# Allegro board BeagleBone AI -64_PCB_V1.02_211119.brd (continued)
## Routing (per net, layer and track width the routed paths; a pad name or vN(x,y) marks a point on that pad's centre or on a via; arc(x,y) is an arc through that point) (continued)
W3_USBC_DIR: length 114
  TOP w0.165: R380.2 49.03,4.96 v1(48.69,5.3) 48.69,5.4 48.39,5.69 U21.4
  TOP w0.229: v1(3.71,52.79) 3.71,52.78 U19.W3
  L5-SIGNAL w0.102: v1(49.36,41.33) 51.09,41.33 52.3,40.11 52.3,25.17 50.81,23.67 50.81,10.54 50.37,10.11 50.37,6.02 49.92,5.56 48.95,5.56 v1(48.69,5.3)
  L10-SIGNAL w0.102: v1(3.71,52.79) 4.09,53.16 5.4,53.16 6.15,53.92 6.15,57.13 6.78,57.76 11.02,57.76 11.3,58.03 15.62,58.03 15.86,58.26 18.19,58.26 18.99,57.46 24.8,57.46 25.44,58.1 27.26,58.1 27.98,58.83 30.69,58.83 31.3,58.22 34.51,58.22 34.61,58.32 39.87,58.32 40.82,59.27 40.82,60.73 41.13,61.04 46.41,61.04 47.78,59.67 47.78,42.39 48.85,41.33 v1(49.36,41.33)
W4_SEL_SDIO_3V3_1V8: length 85.3
  TOP w0.165: v1(44.94,24.66) 44.92,24.64 U29.33
  TOP w0.229: U19.W4 2.91,52.78 v1(2.91,52.79)
  L3-SIGNAL w0.102: v1(2.91,52.79) 2.55,53.15 2.55,53.74 2.84,54.03 3.06,54.03 3.28,54.25 3.28,55.27 3.64,55.63 3.86,55.63 4.15,55.92 4.15,56.14 4.38,56.36 8.44,56.36 8.85,56.77 8.85,57.14 9.1,57.39 11.31,57.39 11.46,57.24 11.77,57.24 11.88,57.35 12.81,57.35 13.01,57.15 14.14,57.15 14.2,57.22 16.17,57.22 16.76,56.62 18.04,56.62 v1(18.55,56.11)
  L5-SIGNAL w0.102: v1(44.94,24.66) 44.64,24.96 44.64,26.83 45.35,27.54 45.88,27.54 47.21,28.87 47.21,32.5 47.86,33.15 47.86,46.86 45.14,49.58 39.48,49.58 37.83,47.93 33.33,47.93 33.13,48.13 33.13,53.21 30.81,55.54 27.82,55.54 27.74,55.46 27.44,55.46 27.3,55.6 20.84,55.6 19.94,54.7 18.95,54.7 18.55,55.1 v1(18.55,56.11)
  BOTTOM w0.165: v1(44.94,24.66) 44.51,24.66 44.49,24.69 R10.2
W5_AF29: length 117.5
  TOP w0.165: R222.2 -25.1,59.78 v1(-25.29,59.97)
  L5-SIGNAL w0.102: v1(-33.93,23.24) -33.01,23.24 -30.96,21.19 -23.3,21.19 -21.67,22.81 -15.82,22.81 v1(-15.39,22.38) -15.1,22.09 -13.06,22.09 -11.25,23.9 0.06,23.9 0.54,24.39 2.95,24.39 4.35,22.99 7.65,22.99 9,24.33 9.68,24.33 9.81,24.21 v1(10.22,24.21)
  L8-PWR/GND w0.127: v1(-33.93,23.24) -35.11,23.24 -35.76,23.89 -35.76,27.26 -36.77,28.27 -36.77,30.13 -37.2,30.56 -37.2,39.67 -34.8,42.06 -34.8,48.2 -32.51,50.5 -32.51,57.08 -30.68,58.9 -30.14,58.9 -29.88,59.17 -28.53,59.17 -28.51,59.16 -26.82,59.16 -26,59.97 v1(-25.29,59.97)
  L10-SIGNAL w0.102: v1(11.55,31.72) 11.16,31.72 10.61,31.18 10.61,28.97 10.22,28.58 v1(10.22,24.21)
  BOTTOM w0.165: P9.19 -3.99,21.72 -5.71,23.45 -11.58,23.45 -13,22.02 -15.03,22.02 v1(-15.39,22.38) ; 11.56,32.18 11.56,31.86 11.54,31.84 11.54,31.72 v1(11.55,31.72)
W5_I2C2_SCL/MCAN0_RX: length 27.4
  TOP w0.229: U19.W5 2.11,52.78 v1(2.11,52.79)
  BOTTOM w0.114: v1(2.11,52.79) 2.11,52.56 2.5,52.17 2.5,51.81 2.74,51.57 3.07,51.57 3.32,51.32 3.32,51.03 4.01,50.34 5.67,50.34 6.31,49.71
  BOTTOM w0.165: 6.31,49.71 6.81,49.2 6.81,34.98 7.58,34.22 10.43,34.22 11.56,33.08 R72.1
W6_AE25: length 93.9
  TOP w0.165: v1(-25.39,58.9) -25.24,58.9 -25.12,58.78 R223.2
  L5-SIGNAL w0.102: v1(10.24,30.56) 10.24,30.13 9.86,29.74 8.9,29.74 8.52,29.36 -1.19,29.36 v1(-4.06,26.49) -4.46,26.49 -4.67,26.29 -6.27,26.29 -7.88,27.9 -16.24,27.9 -17.04,27.1 -25.01,27.1 -26.4,28.5 -29.38,28.5 -30.02,27.87 -30.02,26.11 -30.45,25.68 -32.48,25.68 -34.69,27.89 -35.83,27.89 v1(-36.32,28.37)
  L8-PWR/GND w0.127: v1(-36.32,28.37) -36.32,30.1 -36.95,30.73 -36.95,39.56 -33.93,42.58 -33.93,48.57 -32.1,50.39 -32.1,56.69 -30.76,58.03 -30.31,58.03 -30.28,58.06 -27.55,58.06 -26.7,58.9 v1(-25.39,58.9)
  BOTTOM w0.165: 10.85,32.18 10.83,32.18 10.24,31.59 v1(10.24,30.56)
W6_I2C2_SDA/MCAN0_TX: length 27.5
  TOP w0.229: v1(1.31,52.79) 0.91,52.39 U19.W6
  BOTTOM w0.114: 2.75,50.78 3.42,50.12 5.39,50.12 6.23,49.28 ; v1(1.31,52.79) 1.31,52.53 1.72,52.12 1.72,51.83 1.95,51.6 2.29,51.6 2.52,51.37 2.51,51.35
  BOTTOM w0.137: 2.75,50.78 2.51,51.02 2.51,51.35
  BOTTOM w0.165: 6.23,49.28 6.48,49.02 6.48,34.8 7.4,33.89 10.05,33.89 10.85,33.08 R73.1
W23_FAN_PWM: length 78.5
  TOP w0.165: Q5.2 -42.48,4.8 v1(-41.79,4.1) R382.2
  TOP w0.229: U19.W23 v1(-13.09,52.79)
  L3-SIGNAL w0.102: v1(-30.7,48.9) -30.28,49.32 -30.28,49.84 -29.76,50.36 -26.99,50.36 -26.39,50.95 -23.2,50.95 -22.72,50.47 -22.22,50.47 -21.91,50.16 -21.91,49.97 -21.53,49.59 -20.28,49.59 -19.6,50.27 -15.79,50.27 -15.12,50.94 -15.12,52.07 -14.84,52.35 -13.53,52.35 v1(-13.09,52.79)
  L8-PWR/GND w0.127: v1(-41.79,4.1) -41.24,4.65 -41.24,8.54 -38.27,11.51 -38.27,12.09 -37.88,12.49 -37.88,13.91 -37.33,14.45 -32.43,14.45 -32.05,14.84 -32.05,16.26 -33.29,17.51 -33.29,18.75 -32.02,20.02 -32.02,21.01 -32.94,21.93 -32.94,26.29 -33.7,27.06 -33.7,38.08 -33.97,38.35 -33.97,40.4 -33.14,41.23 -33.14,44.6 -31.27,46.47 -31.27,48.18 -31.04,48.41 -30.72,48.41 -30.7,48.42 v1(-30.7,48.9)
W24_CSI1_GPIO2: length 31.6
  TOP w0.165: v1(5.32,68.71) 5.63,68.4 6.14,68.4 6.52,68.78 R300.1
  TOP w0.229: v1(-13.89,52.79) -13.49,52.39 U19.W24
  L10-SIGNAL w0.102: v1(5.32,68.71) 0.8,68.71 -4.36,63.55 -7.34,63.55 -7.69,63.2 -7.69,61.39 -8.65,60.42 -8.65,59.62 -10.25,58.03 -10.76,58.03 -11.05,57.74 -11.05,57.42 -11.3,57.18 -11.61,57.18 -11.85,56.94 -11.85,56.72 -12.14,56.43 -12.36,56.43 -12.65,56.14 -12.65,55.84 -12.95,55.55 -13.24,55.55 -13.45,55.34 -13.45,55.04 -13.75,54.75 -14.04,54.75 -14.25,54.54 -14.25,53.15 v1(-13.89,52.79)
W25_DSI_GPIO2: length 72.9
  TOP w0.165: R351.1 39.99,67.9 v1(40.01,67.87)
  TOP w0.229: U19.W25 v1(-14.69,52.79)
  L3-SIGNAL w0.102: v1(40.01,67.87) 39.13,68.75 39.13,69.01 v1(38.84,69.29)
  L10-SIGNAL w0.102: v1(38.84,69.29) 38.08,69.29 36.46,70.92 30.41,70.92 26.27,66.78 16.24,66.78 15.86,67.16 13.11,67.16 11.74,68.53 9.28,68.53 8.08,69.72 0.21,69.72 -3.24,66.27 -3.24,65.31 -4.57,63.98 -7.52,63.98 -8.15,63.35 -8.15,61.55 -9.95,59.75 -10.13,59.75 -10.25,59.63 -10.76,59.63 -11.05,59.34 -11.05,59.12 -11.34,58.83 -11.56,58.83 -11.85,58.54 -11.85,58.32 -12.14,58.03 -12.36,58.03 -12.65,57.74 -12.65,57.52 -12.94,57.23 -13.16,57.23 -13.45,56.94 -13.45,56.72 -13.74,56.43 -13.96,56.43 -14.25,56.14 -14.25,55.92 -14.54,55.63 -14.76,55.63 -15.05,55.34 -15.05,55.12 -15.34,54.83 -15.56,54.83 -15.85,54.54 -15.85,52.64 -15.64,52.43 -15.05,52.43 v1(-14.69,52.79)
W26_AUDIO_EXT_REFCLK2: length 16.6
  TOP w0.229: U19.W26 v1(-15.49,52.79)
  L3-SIGNAL w0.102: v1(-30.07,52.68) -29.38,52 -26.99,52 -26.74,51.74 -21.99,51.74 -21.87,51.63 -16.94,51.63 -16.73,51.84 -16.73,52.06 -16.44,52.35 -16.22,52.35 -15.78,52.79 v1(-15.49,52.79)
  BOTTOM w0.165: R150.1 -30.04,52.66 v1(-30.07,52.68)
W27_CSI0_GPIO2: length 35.1
  TOP w0.165: R279.1 -18.14,67.9 v1(-19.14,66.9)
  TOP w0.229: U19.W27 -15.89,52.39 v1(-16.29,52.79)
  L5-SIGNAL w0.102: v1(-25.57,53.62) -23.08,53.62 -22.34,52.88 -18.59,52.88 -18.31,53.16 -16.67,53.16 v1(-16.29,52.79)
  L10-SIGNAL w0.102: v1(-25.57,53.62) -25.97,53.62 -26.04,53.54 -26.92,53.54 -27.2,53.82 -27.2,56.03 -26.32,56.91 -26.32,58.17 -26.46,58.31 -26.46,63.43 -26.73,63.69 -26.73,66.03 -25.85,66.9 v1(-19.14,66.9)
W28_FAN_TACH: length 83
  TOP w0.165: R383.2 -41.87,3.37 v1(-42.49,3.99) -44.42,3.99 -44.74,4.31 Q6.2
  TOP w0.229: U19.W28 v1(-17.09,52.79)
  L5-SIGNAL w0.102: v1(-42.49,3.99) -42.49,4.45 -41.24,5.69 -40.38,5.69 -39.82,6.25 -39.82,8.84 -38.39,10.28 -37.07,10.28 -36.21,9.42 -32.12,9.42 -31.54,8.84 -30.73,8.84 -30.27,9.3 -27.35,9.3 v1(-26.97,8.92)
  L8-PWR/GND w0.127: v1(-24.66,53.21) -24.66,52.8 -24.77,52.68 -24.81,52.68 -25.19,52.3 -25.19,48.36 -26.97,46.59 -26.97,45.7 -27.97,44.69 -27.97,42.76 -29.03,41.71 -29.03,39.88 -29.18,39.73 -29.18,29.39 -27.78,27.99 -27.78,27.56 -28.44,26.9 -28.44,23.5 -28.31,23.37 -28.31,21.59 -26.1,19.38 -26.1,16.87 -28.06,14.91 -28.06,12.8 -26.97,11.71 v1(-26.97,8.92)
  L12-SIGNAL w0.102: v1(-24.66,53.21) -24.21,52.77 -19.01,52.77 -18.63,53.15 -17.45,53.15 v1(-17.09,52.79)
W29_CSI0_GPIO1: length 38.2
  TOP w0.165: v1(-28.95,62.23) -24.55,62.23 -22.79,63.98 -21.18,63.98 -19.6,65.56 -19.6,67.31 -18.49,68.42 -18.49,68.93 -18.03,69.39 J13.17
  TOP w0.229: U19.W29 -17.49,52.39 v1(-17.89,52.79)
  L5-SIGNAL w0.102: v1(-28.24,52.66) -27.83,52.66 -27.79,52.71 -22.52,52.71 -22.47,52.65 -18.39,52.65 -18.26,52.79 v1(-17.89,52.79)
  L10-SIGNAL w0.102: v1(-28.24,52.66) -28.31,52.73 -28.31,53.44 -28.47,53.6 -29.36,53.6 -29.64,53.87 -29.64,59.59 -28.85,60.38 -28.85,61.74 -28.95,61.84 v1(-28.95,62.23)
WKUP_I2C0_SCL: length 170.6
  TOP w0.165: R378.1 v1(48.57,42.57)
  TOP w0.229: U19.J25 -14.29,44.38 v1(-14.69,43.98)
  L3-SIGNAL w0.102: v1(-30.78,45.06) -30.49,44.77 -30.24,44.77 -29.62,44.16 -28.12,44.16 -27.3,43.33 -22.14,43.33 -22,43.19 -20.49,43.19 -19.28,44.4 -15.11,44.4 v1(-14.69,43.98)
  L5-SIGNAL w0.102: v1(48.57,42.57) 48.09,42.09 48.09,33 47.66,32.56 47.66,25.43 44.79,22.56 44.79,19.74 42.78,17.73 42.78,15.6 38.94,11.76 35.72,11.76 34.55,10.59 31.27,10.59 29.67,8.99 21.88,8.99 20.28,7.39 16.82,7.39 15.53,8.69 15.26,8.69 13.5,10.44 3.46,10.44 1.78,12.12 -21.41,12.12 -25.14,8.38 v1(-28.37,8.38)
  L8-PWR/GND w0.127: v1(-30.78,45.06) -30.78,44.6 -30.84,44.54 -30.84,43.63 -31.34,43.13 -31.34,37.87 -32.25,36.96 -32.25,36.15 -30.17,34.06 -30.17,20.96 -29.53,20.33 -29.53,18.92 -30.14,18.32 -30.14,16.77 -30.47,16.44 -30.47,12.8 -29.17,11.5 -29.17,9.19 v1(-28.37,8.38)
  BOTTOM w0.165: v1(-30.78,45.06) -30.48,45.36 -30.48,46.43 -29.96,46.95 R147.2 -31.19,47.51 -31.34,47.36 U7.1
WKUP_I2C0_SDA: length 182.1
  TOP w0.165: R379.1 50.38,43 49.85,42.47 v1(49.36,42.47)
  TOP w0.229: U19.H24 -13.89,43.18 v1(-13.89,43.18)
  L3-SIGNAL w0.102: v1(-19.98,47.17) -21.84,47.17 -21.84,47.17 -22.22,47.55 -24.96,47.55 -25.34,47.17 -27.25,47.17 -27.58,46.84 v1(-30.85,46.84)
  L5-SIGNAL w0.102: -30.8,46.89 v1(-30.85,46.84) ; v1(-31.17,8.07) -30.5,8.74 -29.36,8.74 -28.63,8.02 -25.08,8.02 -21.3,11.79 1.79,11.79 3.37,10.21 5.73,10.21 6.25,9.69 9,9.69 9.52,10.21 13.41,10.21 15.16,8.46 15.43,8.46 16.73,7.16 20.37,7.16 21.95,8.74 29.74,8.74 31.37,10.36 34.65,10.36 35.81,11.53 39.04,11.53 43.01,15.5 43.01,17.64 45.02,19.64 45.02,22.46 47.89,25.33 47.89,32.46 48.32,32.89 48.32,41.76 49.03,42.47 v1(49.36,42.47)
  L8-PWR/GND w0.127: v1(-30.85,46.84) -30.85,46.42 -32.28,45 -32.28,39.91 -33.04,39.15 -33.04,38.25 -33.45,37.85 -33.45,30.41 -32.99,29.95 -32.99,27.61 -31.82,26.44 -31.82,22.84 -31.85,22.81 -31.85,21.27 -31.69,21.11 -31.69,19.34 -31.9,19.14 -31.9,18.75 -31.39,18.24 -31.39,17.4 -30.98,16.99 -30.98,12.59 -29.68,11.29 -29.68,9.56 v1(-31.17,8.07)
  L10-SIGNAL w0.102: v1(-19.98,47.17) -19.59,46.78 -17.73,46.78 -17.5,46.55 -17.5,46.19 -17.31,45.99 -16.09,45.99 -15.36,45.26 -13.86,45.26 -13.53,44.93 -13.53,43.54 v1(-13.89,43.18)
  BOTTOM w0.165: v1(-30.85,46.84) -31.16,46.54 -31.16,45.64 -31.34,45.45 U7.3 ; v1(-19.98,47.17) -20.33,46.81 -21.99,46.81 -22.3,46.5 R134.2
WKUP_LFOSC0_XI: length 94.7
  TOP w0.229: v1(-17.09,47.18) -16.69,47.58 U19.N28
  L3-SIGNAL w0.102: v1(42.35,65.03) 42.35,64.62 42.91,64.06 v1(48.7,64.06)
  L10-SIGNAL w0.102: v1(-17.09,47.18) -16.99,47.08 -16.75,47.08 -16.46,46.79 -16.12,46.79 -15.9,46.57 -15.9,46.23 -15.65,45.98 -8.14,45.98 -7.89,46.23 -7.89,53.75 -7.66,53.98 -7.33,53.98 -7.09,54.22 -7.09,54.55 -6.86,54.78 -6.48,54.78 -6.28,54.98 -6.28,55.35 -6.04,55.59 -5.47,55.59 -4.68,56.38 -4.68,56.95 -4.45,57.18 -3.34,57.18 -3.1,57.42 -3.1,58.54 -2.85,58.78 -2.81,58.78 -2.8,58.79 -0.13,58.79 0.1,59.02 0.1,59.07 0.12,59.08 0.12,59.35 0.35,59.58 0.61,59.58 0.63,59.59 0.67,59.59 0.9,59.82 0.9,59.87 0.92,59.88 0.92,60.15 1.15,60.38 1.41,60.38 1.75,60.72 1.75,60.94 3.63,62.82 4.48,62.82 4.91,63.25 4.91,65.18 6.15,66.42 9.94,66.42 10.37,65.99 10.37,65.48 11.46,64.39 14.43,64.39 14.87,63.96 20.38,63.96 21.29,63.04 29.04,63.04 30.82,64.82 32.14,64.82 32.9,64.07 32.9,64.06 33.59,63.37 40.15,63.37 41.42,64.64 41.97,64.64 v1(42.35,65.03)
  BOTTOM w0.165: v1(48.7,64.06) 49,63.76 R2.1 R3.1
WKUP_OSC0_XIN: length 8.3
  TOP w0.165: R226.1 -24.03,45.63 v1(-24.14,45.52)
  TOP w0.229: v1(-17.89,46.38) -17.49,46.78 U19.M29
  L3-SIGNAL w0.102: v1(-24.14,45.52) -24.14,46.09 -23.21,47.02 -22.68,47.02 -22.32,46.66 -20.32,46.66 -20.09,46.43 -18.31,46.43 -18.26,46.38 v1(-17.89,46.38)
WKUP_OSC0_XOUT: length 11.5
  TOP w0.165: v1(-24.45,44.77) -24.45,44.71 R217.1
  TOP w0.229: v1(-16.29,46.38) -16.29,46.38 U19.M27
  L3-SIGNAL w0.102: v1(-24.45,44.77) -24.45,45.18 -24.51,45.23 -24.51,46.33 -23.56,47.27 -22.37,47.27 -22.02,46.92 -20.25,46.92 -20.13,46.8 -16.71,46.8 v1(-16.29,46.38)
WKUP_UART0_RXD: length 21.7
  TOP w0.165: U33.2 47.68,37.14 47.14,36.6 v1(46.49,36.6)
  BOTTOM w0.165: J2.2 50.07,23.31 50.07,29.9 49.04,30.93 48.81,30.93 D2.2 48.06,31.23 46.49,32.8 v1(46.49,36.6) 47.35,37.47 R356.1
WKUP_UART0_TXD: length 18.9
  TOP w0.165: U33.3 48.17,36.9 48.49,36.58 v1(49.08,36.58)
  BOTTOM w0.165: J2.3 50.4,24.48 50.4,30.03 49.71,30.72 D1.2 50.16,31.23 50.32,31.39 50.32,32.67 47.91,35.08 47.91,36.07 48.42,36.58 v1(49.08,36.58)
Y1_AF24: length 134.1
  TOP w0.165: R251.2 -21.28,58.8 -21.39,58.69 v1(-21.39,58.68)
  L5-SIGNAL w0.102: v1(17.38,54.15) 18.04,54.15 18.36,53.84 18.36,53.8 18.57,53.58 18.97,53.58 19.21,53.82 20.07,53.82 20.55,54.31 29.83,54.31 30.49,53.64 30.49,46.51 30.28,46.3 30.28,36.6 29.85,36.16 29.85,32.79 28.3,31.24 25.71,31.24 25.28,31.68 16.34,31.68 16.06,31.4 16.06,30.86 15.78,30.58 14.64,30.58 14.33,30.28 14.33,29.57 14.03,29.26 9.07,29.26 8.72,28.91 4.53,28.91 3.54,27.92 2.75,27.92 2.04,27.2 -0.85,27.2 -2.23,25.82 -9.2,25.82 -10.03,26.65 v1(-11.98,26.65) -12.39,26.65 -12.54,26.8 -15.69,26.8 -16.78,25.71 -19.58,25.71 -19.91,26.04 -25.57,26.04 -26.51,26.98 v1(-26.51,27.76)
  L8-PWR/GND w0.127: v1(-26.51,27.76) -26.92,28.17 -26.92,31.19 -28.07,32.34 -28.07,39.02 -27.79,39.3 -27.45,39.3 -27.3,39.14 -26.84,39.14 -26.68,39.31 -26.68,39.72 -25.84,40.56 -25.84,40.93 -25.97,41.06 -25.97,42.8 -25.11,43.65 -25.11,44.11 -25.37,44.37 -25.37,44.37 -25.41,44.41 -25.41,46.53 -23.77,48.17 -23.77,51.11 -23.07,51.8 -23.07,52.5 -22.68,52.9 -22.68,53.88 -22.1,54.45 -22.1,54.88 -21.39,55.59 v1(-21.39,58.68)
  BOTTOM w0.165: v1(-11.98,26.65) -11.77,26.65 -11.61,26.48 P9.26 ; v1(17.38,54.15) 17.33,54.15 17.23,54.26 R49.2
Y1_UART2_RXD: length 13.1
  TOP w0.229: v1(5.31,53.59) 5.31,53.58 U19.Y1
  L3-SIGNAL w0.102: v1(5.31,53.59) 5.62,53.59 6.51,54.48 13.29,54.48 v1(14.2,55.4)
  BOTTOM w0.165: R49.1 15.26,54.26 14.51,55.01 14.51,55.1 v1(14.2,55.4)
Y2_I2C6_SDA: length 29.5
  TOP w0.229: v1(4.51,53.59) 4.51,53.58 U19.Y2
  BOTTOM w0.114: 5.62,54 5.12,54 4.87,53.74 4.67,53.74 v1(4.51,53.59)
  BOTTOM w0.165: R57.1 15.47,35.91 12.95,38.43 9.99,38.43 9.53,38.89 9.53,51.13 6.66,54 5.62,54
Y3_UART0_CTSN: length 13.3
  TOP w0.229: U19.Y3 3.71,53.58 v1(3.71,53.59)
  BOTTOM w0.137: v1(3.71,53.59) 4.11,53.99 4.7,53.99
  BOTTOM w0.165: 4.7,53.99 5.14,54.43 10.93,54.43 12.78,56.29 12.78,57.8 13.47,58.48 R67.1
Y5_AJ24: length 119.6
  TOP w0.165: R283.2 v1(-16,63.27)
  L5-SIGNAL w0.102: v1(-37.61,26.82) -34.11,26.82 -32.45,25.17 -16.94,25.17 -15.54,26.57 -12.72,26.57 -12.39,26.24 -10.09,26.24 v1(-9.07,25.22) -8.83,25.45 -2.28,25.45 -0.82,26.91 2.97,26.91 4.71,28.65 9.02,28.65 9.25,28.42 10.28,28.42 10.74,28.88 13.98,28.88 14.79,29.69 v1(14.79,30.1)
  L10-SIGNAL w0.102: v1(-33.01,62.26) -33.01,61.86 -32.99,61.84 -32.99,61.29 -33.37,60.91 -35.15,60.91 -36.53,59.53 -36.53,52.87 -37.04,52.36 -37.04,49.89 -36.84,49.68 -36.84,48.38 -37.28,47.93 -37.28,47.91 -38.7,46.49 -38.7,29.85 -37.84,28.98 -37.84,27.05 v1(-37.61,26.82)
  L12-SIGNAL w0.102: v1(-16,63.27) -16.88,64.16 -17.67,64.16 -18.1,63.73 -19.55,63.73 -20.01,64.19 -22.36,64.19 -22.45,64.1 -24.33,64.1 -25.34,63.1 -26.99,63.1 -28.16,64.26 -28.87,64.26 -29.71,63.43 -29.71,62.71 -30.21,62.22 -32.04,62.22 -32.04,62.23 -32.59,62.23 -32.62,62.26 v1(-33.01,62.26)
  BOTTOM w0.165: v1(14.79,30.1) 14.79,31.47 14.56,31.69 14.56,32.18 ; P9.24 v1(-9.07,25.22)
Y5_UART2_TXD: length 30.8
  TOP w0.229: U19.Y5 1.71,53.19 v1(2.11,53.59)
  BOTTOM w0.114: v1(2.11,53.59) 2.5,53.2 2.5,52.65 2.75,52.4 6.08,52.4
  BOTTOM w0.165: 6.08,52.4 6.97,52.4 8.85,50.52 8.85,38.3 9.38,37.77 12.43,37.77 14.56,35.64 R62.1
Y6_I2C1_SCL: length 145.1
  TOP w0.165: v1(50.25,10.77) 50.55,10.47 51.44,10.47 52.08,9.83 52.08,7.49 52.08,7.3 51.59,6.81 50.86,6.81 50.21,7.45 U21.8 ; v1(7.85,72.75) 8.19,72.42 J15.20 ; v1(16.24,58.89) 17.34,58.89 17.76,59.31 17.76,61.9 17.86,62 v1(17.86,62.08)
  TOP w0.229: v1(1.31,53.59) 0.91,53.19 U19.Y6
  L5-SIGNAL w0.102: v1(7.85,72.75) 8.21,73.1 12.33,73.1 13.72,71.71 13.72,67.92 16.37,65.27 16.37,63.2 16.69,62.88 17.06,62.88 v1(17.86,62.08)
  L10-SIGNAL w0.102: v1(50.25,10.77) 49.43,11.58 49.43,15.22 50.37,16.16 50.37,23.98 50.97,24.58 50.97,33.97 52.15,35.16 52.15,37.11 50.46,38.8 50.46,42.86 48.34,44.98 48.34,51.46 49.74,52.86 49.74,58.36 46.6,61.49 40.8,61.49 40.37,61.06 40.37,59.46 39.68,58.78 34.42,58.78 34.32,58.68 31.71,58.68 31.1,59.29 27.79,59.29 27.07,58.56 20.55,58.56 19.7,59.41 16.77,59.41 v1(16.24,58.89)
  L12-SIGNAL w0.102: v1(1.31,53.59) 1.55,53.59 1.95,53.19 2.27,53.19 2.5,52.95 2.5,52.63 2.75,52.39 5.49,52.39 6.7,53.6 15.94,53.6 16.87,54.54 16.87,57.56 16.24,58.19 v1(16.24,58.89)
  BOTTOM w0.165: R50.2 v1(16.24,58.89)
Y23_M.2_SDIO_RESET#: length 76
  TOP w0.165: v1(48.55,69.75) 48.46,69.66 Q4.1
  TOP w0.229: U19.Y23 v1(-13.09,53.59)
  L10-SIGNAL w0.102: v1(48.55,69.75) 47.66,68.86 42.2,68.86 41.41,68.07 40.49,68.07 40.33,68.24 38.56,68.24 38.32,68 36.1,68 35.64,68.45 35.64,69.1 34.96,69.79 29.92,69.79 27.49,67.35 27.49,66.63 27.13,66.27 15.93,66.27 15.5,66.7 12.91,66.7 11.54,68.07 0.91,68.07 -3.35,63.82 -3.35,63.7 -4.67,62.38 -4.67,61.7 -5.22,61.15 -6.84,61.15 -7.05,60.94 -7.05,59.92 -7.34,59.63 -7.56,59.63 -8.65,58.54 -8.65,58.43 -9.14,57.95 -9.24,57.95 -9.45,57.74 -9.45,57.52 -9.74,57.23 -9.96,57.23 -10.25,56.94 -10.25,56.72 -10.54,56.43 -10.76,56.43 -11.05,56.14 -11.05,55.82 -11.33,55.55 -11.64,55.55 -11.85,55.34 -11.85,55.07 -12.18,54.75 -12.44,54.75 -13.09,54.1 v1(-13.09,53.59)
Y24_PRG0_UART0_RXD: length 52.2
  TOP w0.229: U19.Y24 v1(-13.89,53.59)
  L10-SIGNAL w0.102: v1(-15.06,74.63) -16.07,73.61 -18.99,73.61 -23.13,69.47 -27.91,69.47 -29.38,68 -29.38,62.71 -30.12,61.98 -30.12,60.47 -30.51,60.07 -30.8,60.07 -31.57,59.31 -31.57,55.03 -30.69,54.15 v1(-30.27,54.15)
  L12-SIGNAL w0.102: v1(-13.89,53.59) -14.25,53.23 -17.25,53.23 -17.51,53.49 -18.82,53.49 -18.92,53.39 -20.26,53.39 -20.52,53.65 -21.83,53.65 -22.09,53.39 -22.58,53.39 -22.78,53.58 -24.97,53.58 -25.3,53.25 -26.14,53.25 -27.16,54.27 -28,54.27 -28.52,53.75 -29.86,53.75 v1(-30.27,54.15)
  BOTTOM w0.165: v1(-15.06,74.63) -15.03,74.6 -14.88,74.6 -14.84,74.57 P8.28
Y25_SYS_BOOTMODE3: length 54.9
  TOP w0.229: U19.Y25 -14.29,53.19 v1(-14.69,53.59)
  L3-SIGNAL w0.102: v1(-22.47,51.11) -22.04,51.11 -21.99,51.16 -17.72,51.16 -17.39,50.83 -16.93,50.83 -16.72,51.04 -16.72,51.34 -16.44,51.63 -16.14,51.63 -15.93,51.84 -15.93,52.11 -15.62,52.43 -15.34,52.43 -15.13,52.64 -15.13,53.15 v1(-14.69,53.59)
  L5-SIGNAL w0.102: v1(-22.47,51.11) -26.13,51.11 -26.66,50.57 -29.1,50.57 -29.56,50.12 -32.68,50.12 -33.83,51.26 v1(-41.01,51.26)
  L10-SIGNAL w0.102: P8.46 -35.71,71.62 -35.71,68.05 -41.01,62.74 v1(-41.01,51.26)
  BOTTOM w0.165: R136.2 -22.6,51.46 -22.47,51.33 v1(-22.47,51.11) -22.5,51.08 -22.51,51.08 R135.1
Y26_I2C5_SCL: length 48.7
  TOP w0.165: J13.20 v1(-16.53,71.81) ; v1(-22.68,52.34) -22.68,52.33 -22.75,52.4 -22.75,52.78 -22.72,52.81 R236.2
  TOP w0.229: U19.Y26 v1(-15.49,53.59)
  L3-SIGNAL w0.102: v1(-15.49,53.59) -15.93,53.15 -16.44,53.15 -16.73,52.86 -16.73,52.64 -16.94,52.43 -17.24,52.43 -17.74,52.43 -17.74,52.43 -18.04,52.43 -18.16,52.55 -20.78,52.55 -20.95,52.37 -22.24,52.37 -22.27,52.34 v1(-22.68,52.34)
  L10-SIGNAL w0.102: v1(-16.53,71.81) -20.34,68 -26.8,68 -29.15,65.64 -29.15,62.61 -29.89,61.88 -29.89,53.56 v1(-30.7,52.75)
  L12-SIGNAL w0.102: v1(-22.68,52.34) -23.53,52.34 -23.72,52.53 -25.77,52.53 -27.22,53.98 -27.97,53.98 -28.42,53.52 -29.93,53.52 v1(-30.7,52.75)
Y27_AD21: length 24.7
  TOP w0.165: R206.2 -26.87,54.51 -27.7,55.34 -28.08,55.34 -28.13,55.3 -28.81,55.3 -29.15,55.64 -29.15,56.54 ; -28.9,56.77 -29.13,56.54 -29.15,56.54 ; -28.9,56.77 -26.69,56.77 -25.73,57.73 -25.53,57.73 -25.51,57.75 -25.38,57.75 -25.1,58.03 R224.2 ; -28.9,56.77 -29.15,56.77 ; -29.15,56.77 -29.38,56.77 ; -29.15,56.77 -29.15,56.54 ; -29.38,56.77 -29.79,56.77 v1(-30.47,57.46) ; -29.38,56.77 -29.15,56.54
  BOTTOM w0.165: P8.37 -26.85,67.58 -27.24,67.18 -28.37,67.18 -29.69,65.86 -29.69,62.61 -30.05,62.25 -30.05,57.88 v1(-30.47,57.46)
Y27_UART5_TXD: length 11.8
  TOP w0.229: U19.Y27 v1(-16.29,53.59)
  L5-SIGNAL w0.102: v1(-16.29,53.59) -16.71,54 -17.29,54 -17.85,53.44 -18.34,53.44 -18.66,53.11 -20.06,53.11 -20.59,53.65 -21.71,53.65 -22.04,53.32 -22.45,53.32 -23.02,53.89 -24.54,53.89 -24.71,54.07 -25.66,54.07 -25.8,53.93 v1(-26.21,53.93)
Y28_LED_USR2: length 154.3
  TOP w0.165: v1(51.87,30.15) 51.8,30.15 52.01,30.37 R370.1
  TOP w0.229: U19.Y28 v1(-17.09,53.59)
  L3-SIGNAL w0.102: v1(-17.09,53.59) -18.29,53.59 -18.87,53.01 -21,53.01 -21.18,52.83 -22.21,52.83 -22.9,53.52 -23.72,53.52 v1(-24.05,53.19)
  L5-SIGNAL w0.102: v1(51.87,30.15) 50.83,29.11 50.83,24.91 47.99,22.07 47.99,11.44 46.53,9.98 43.69,9.98 42.27,8.56 42.27,7.06 41.89,6.68 39.69,6.68 39.46,6.91 v1(34.04,6.91)
  L8-PWR/GND w0.127: v1(-24.05,53.19) -24.05,52.77 -24.05,52.54 -24.52,52.07 -24.56,52.07 -24.91,51.72 -24.91,48.22 -26.67,46.46 -26.67,44.72 -27.13,44.26 -27.16,44.26 -27.72,43.7 -27.72,42.56 -27.84,42.43 -27.84,40.68 -28.92,39.6 -28.92,29.54 -27.48,28.09 -27.48,25.2 -27.45,25.17 -27.45,23.78 -28.06,23.17 -28.06,21.92 -25.62,19.48 -25.62,16.41 v1(-23.21,14)
  L12-SIGNAL w0.102: v1(34.04,6.91) 33.18,6.05 29.79,6.05 27.35,8.49 21.96,8.49 19.06,5.59 16.82,5.59 16.36,6.05 16.15,6.05 16,6.2 12.53,6.2 12.52,6.21 8.45,6.21 8.24,6 3.56,6 1.81,7.75 1.81,8.18 0.64,9.35 -1.82,9.35 -4.62,12.16 -15.89,12.16 -16.44,12.71 -21.93,12.71 v1(-23.21,14)
Y29_AJ20: length 42.9
  TOP w0.165: R256.2 -21.29,53.38 -21.41,53.27 v1(-21.46,53.27) ; R284.2 -15.25,64.78 -15.52,65.06 -18.1,65.06 -18.92,64.24 v1(-19.44,64.24)
  L3-SIGNAL w0.102: v1(-27.91,54.92) -27.55,54.56 -25.39,54.56 -24.61,53.77 -22.83,53.77 -22.32,53.27 v1(-21.46,53.27)
  L10-SIGNAL w0.102: v1(-27.6,64.25) -27.6,63.86 -26.99,63.25 -26.99,60.53 -27.62,59.91 -27.62,58.6 -28.21,58 -28.21,55.22 v1(-27.91,54.92)
  L12-SIGNAL w0.102: v1(-19.44,64.24) -19.6,64.24 -19.83,64.47 -22.41,64.47 -22.55,64.33 -24.45,64.33 -25.35,63.43 -26.78,63.43 v1(-27.6,64.25)
  BOTTOM w0.165: P8.38 -26.85,73.21 -26.1,72.47 -26.1,67.82 -27.6,66.32 v1(-27.6,64.25)
Y29_UART5_RXD: length 3.3
  TOP w0.165: R256.1 -17.69,53.38 U19.Y29
N23139394: length 5.2
  BOTTOM w0.165: R74.2 11.08,63.05 11.4,62.73 D7.3 13.81,62.73 13.84,62.69 R58.1
N23154805: length 12.6
  TOP w0.165: R239.1 -22.27,45.06 v1(-22.22,45.06)
  TOP w0.229: v1(-13.09,43.18) -12.69,43.58 U19.H23
  L3-SIGNAL w0.102: v1(-22.22,45.06) -20.92,45.06 -20.29,45.7 -19.58,45.7 -19.3,45.98 -13.73,45.98 -13.5,45.75 -13.5,43.76 -13.09,43.35 v1(-13.09,43.18)
N23154817: length 10.9
  TOP w0.165: v1(-22.09,44.22) -22.1,44.24 R240.1
  TOP w0.229: -13.89,43.98 v1(-13.89,43.98) -13.49,44.38 U19.J24
  L3-SIGNAL w0.102: v1(-13.89,43.98) -14.3,44.39 -14.3,45.27 -14.78,45.75 -19.04,45.75 -19.37,45.42 -19.98,45.42 -21.18,44.22 v1(-22.09,44.22)
N26386249: length 6.5
  TOP w0.165: v1(-39.83,50.5) -39.53,50.19 -39.44,50.19 -39.31,50.06 -39.31,47.47 -39.14,47.3 U12.2
  BOTTOM w0.165: v1(-39.83,50.5) -39.53,50.8 -38.84,50.8 -38.15,51.48 U8.6
N28594462: length 4.8
  TOP w0.254: U29.40 44.97,28.14 45.41,28.58 46.5,28.58 48.19,30.26 R362.2
N31293874: length 6.7
  TOP w0.165: R172.2 -34.69,43.22 -34.35,43.56 -33.57,43.56 -33.34,43.8 R173.2 -33.34,44.41 -32.77,44.98 -31.47,44.98 -30.85,45.6 U16.1
N31697999: length 1.1
  BOTTOM w0.203: C88.1 20.29,9.03 20.33,9.08 R45.2
N31698105: length 11.4
  TOP w0.203: Q2.4 v1(23.84,15.51)
  L5-SIGNAL w0.102: v1(14.29,15.61) 14.61,15.93 23.43,15.93 v1(23.84,15.51)
  BOTTOM w0.203: R60.2 R61.2 v1(14.29,15.61)
N31698113: length 2
  TOP w0.203: R392.2 30.98,12.28 v1(31.07,12.37)
  BOTTOM w0.203: R35.1 31.65,12.39 31.5,12.54 31.21,12.54 31.07,12.4 v1(31.07,12.37)
N32406105: length 1.3
  TOP w0.165: R314.2 14.18,12.86 14.12,12.81 U22.4
N33582225: length 7
  TOP w0.165: R191.1 -26.48,1.96 -24.94,1.96 J9.11
N33582357: length 6.2
  TOP w0.165: R186.1 R183.1 -30.95,3.69 J9.13
N33671782: length 0
  TOP w0.165: v1(52.95,34.11) 52.95,34.08 R368.2
N33671784:
  vias: v1(52.94,32.47)
N33671786: length 0
  TOP w0.165: R370.2 v1(52.95,30.94)
N33671788: length 0
  TOP w0.165: R371.2 v1(52.97,29.28)
N33671790:
  vias: v1(52.95,26.16)
N33672000: length 0
  TOP w0.165: v1(52.95,27.71) 52.95,27.74 R372.2
N34010319: length 3.1
  BOTTOM w0.165: U1.9 39.94,14.06 39.55,14.44 R21.2 R26.1
N34590391: length 1.7
  BOTTOM w0.165: R157.2 -36.36,59.07 Q1.2
N34695237: length 1.8
  TOP w0.165: J16.17 39.15,69.6 39.29,69.45 R349.2
N34695277: length 1.9
  TOP w0.165: R351.2 39.97,68.56 39.65,68.88 J16.18
N34695383: length 1.7
  TOP w0.165: R279.2 -17.59,69.04 -17.53,69.09 J13.18
N34701786: length 1.2
  TOP w0.165: U24.4 20.09,66.97 20.35,67.24 20.68,67.24 R319.1
N34701949: length 1.2